# Altium PCB RTU_LMG_PCB.PcbDoc (part 3 of 3)
Units mm, origin at the board's own origin, x right, y up, seen from the top; angles counter-clockwise.
Board outline 89.95 x 89.96 mm, 2 copper layers (Top Layer, Bottom Layer), stack 1.57 mm thick; 142 components, 84 nets, 563 pads, 727 vias.
Unrouted connection lines stored in the file: 18.
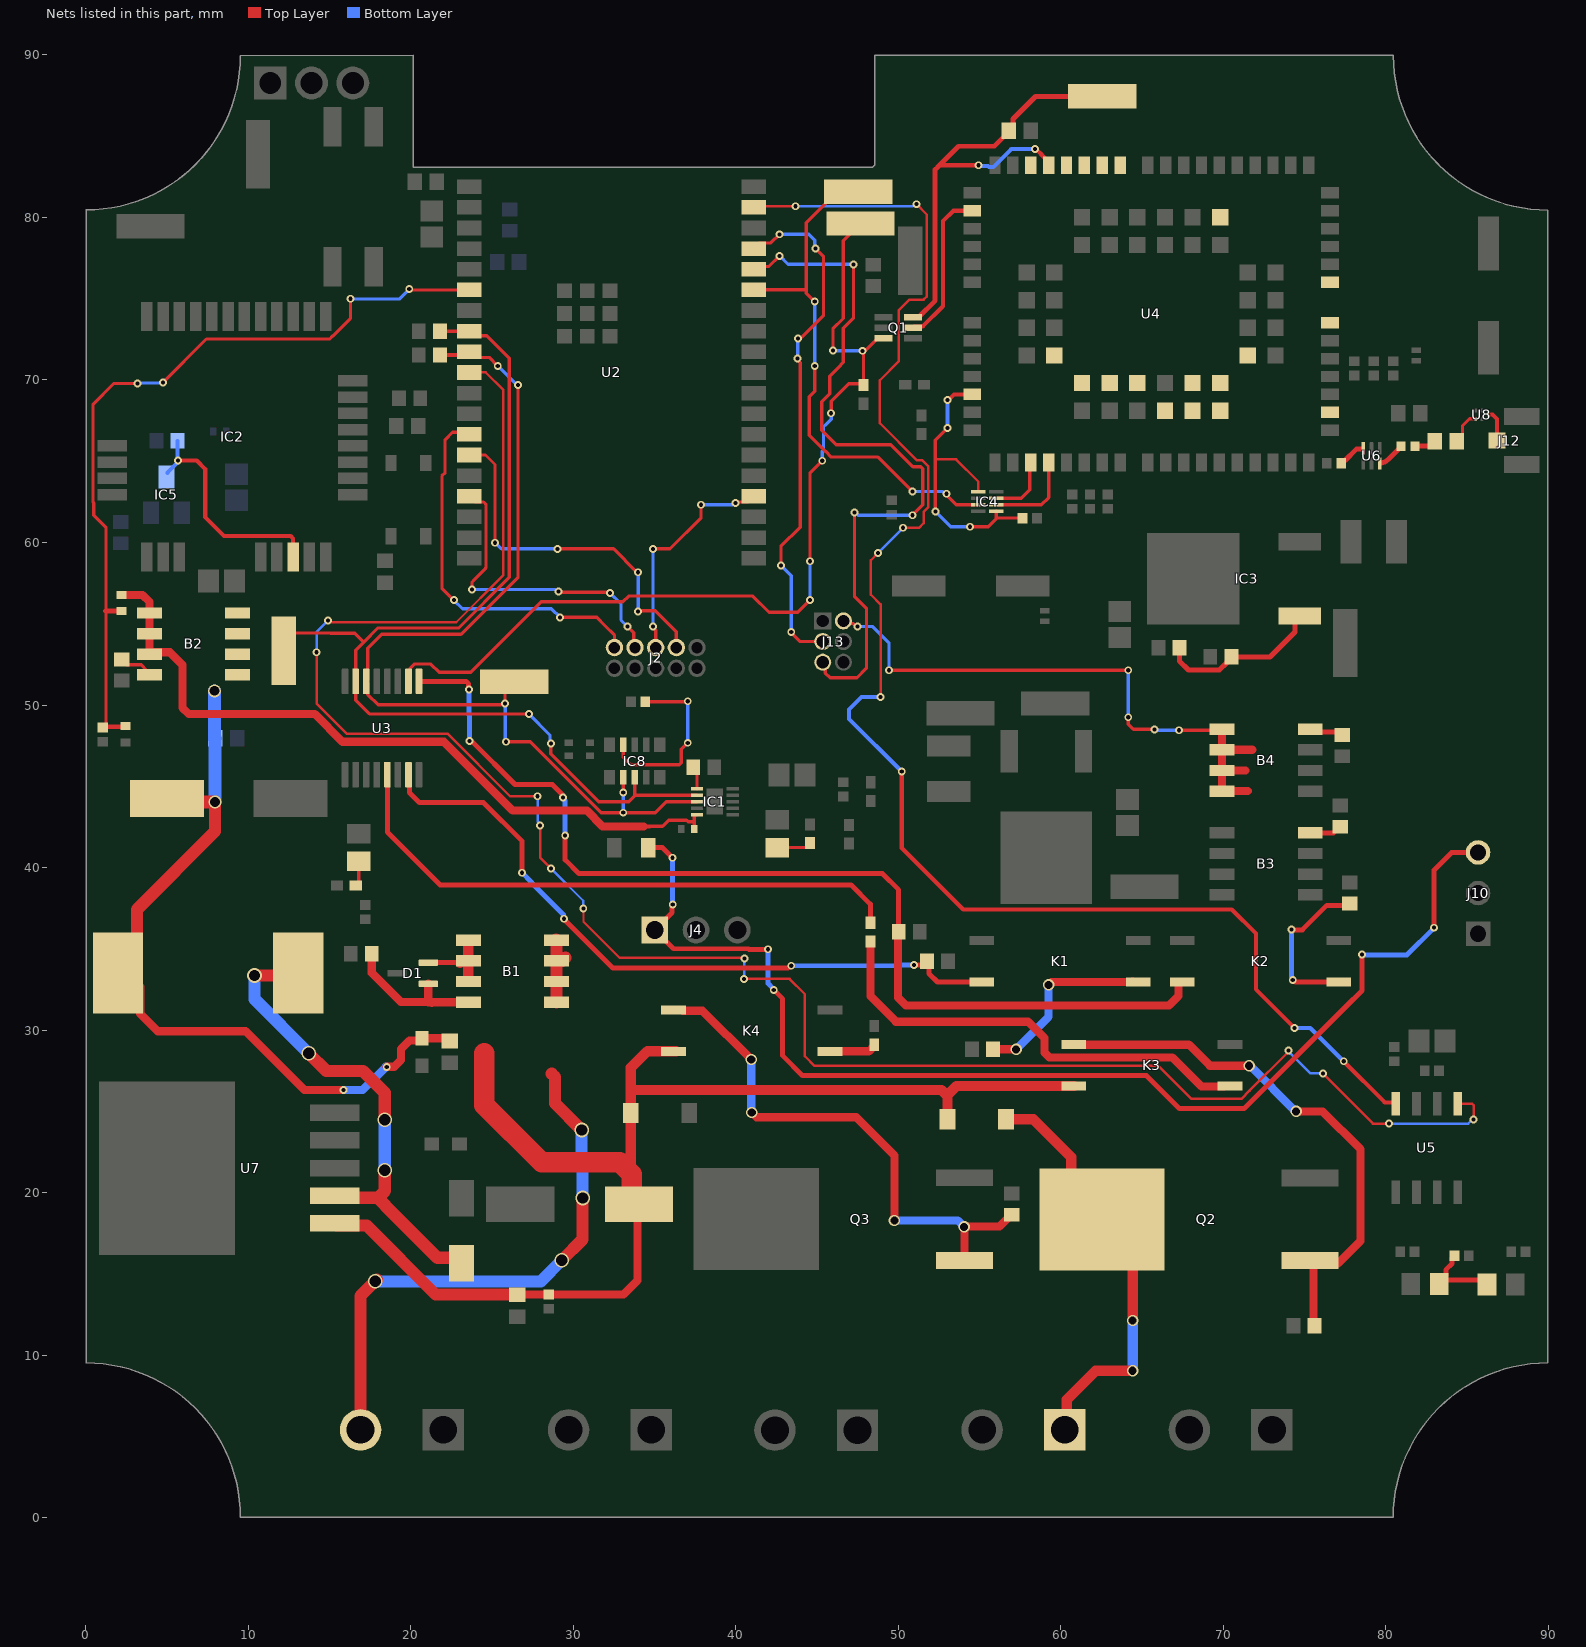
[diagram p3: the nets of this part, all layers, seen from the top]

## Via types
v1: diameter 0.483, hole 0.254, Top Layer to Bottom Layer, 295 vias
v2: diameter 0.4, hole 0.2, Top Layer to Bottom Layer, 125 vias
v3: diameter 0.6, hole 0.4, Top Layer to Bottom Layer, 106 vias
v4: diameter 0.5, hole 0.3, Top Layer to Bottom Layer, 100 vias
v5: diameter 1.27, hole 0.711, Top Layer to Bottom Layer, 46 vias
v6: diameter 0.7, hole 0.5, Top Layer to Bottom Layer, 35 vias
v7: diameter 0.9, hole 0.7, Top Layer to Bottom Layer, 8 vias
v8: diameter 0.381, hole 0.254, Top Layer to Bottom Layer, 6 vias
v9: diameter 0.4, hole 0.3, Top Layer to Bottom Layer, 4 vias
v10: diameter 0.8, hole 0.6, Top Layer to Bottom Layer, 2 vias

## Nets (pads, with @x,y where several pads share a name; then routed paths per layer and width w, separated by ;. In a path a pad name is that pad's centre, name@x,y a point inside that pad or via, vN(x,y) a via of type N, cw(c..) or ccw(c..) an arc to the next point about the centre after c; other vN are vias at no path point) (continued)
MODEM_STATUS: Q1.3 R13.1 TP_STATUS.1 U3.10 | length 57
  Top Layer w0.203: U3.10@19.868,51.454 U3.10@19.972,51.558 ; U3.10@19.956,52.122 19.972,52.138 19.972,52.263 20.227,52.519 21.254,52.519 21.763,52.01 23.703,52.01 28.046,56.354 33.062,56.354 33.412,56.703 41.063,56.703 42.054,55.713 43.828,55.713 v1(44.571,56.456) ; v1(44.571,58.849) 44.571,64.271 v1(45.332,65.031) ; v1(45.876,67.955) 45.876,68.696 46.953,69.773 47.786,69.773 R13.1@47.872,69.687 47.872,71.677 v1@48.042,71.848 ; v1(45.989,71.813) 45.989,73.144 46.629,73.783 46.629,78.572 47.277,79.22 TP_STATUS.1@47.538,79.22 ; v1(47.812,71.794) 47.865,71.848 v1@48.042,71.848 ; Q1.3@49.107,72.562 48.757,72.562 v1@48.042,71.848
  Bottom Layer w0.203: v1(44.571,56.456) v1(44.571,58.849) ; v1(45.332,65.031) 45.332,65.609 45.402,65.679 45.402,67.112 45.545,67.256 45.876,67.586 v1(45.876,67.955) ; v1(45.989,71.813) 46.008,71.794 v1(47.812,71.794)
MODEM_TX: IC4.7 TP_MTX.1 U2.33 | length 32.9
  Top Layer w0.203: U2.33@41.117,75.543 44.23,75.543 44.272,75.585 44.334,75.647 ; v1(44.865,70.859) 44.865,69.301 44.538,68.975 44.538,66.589 45.523,65.604 45.531,65.604 45.876,65.259 48.765,65.259 v1(50.887,63.136) ; v1(44.865,74.819) 44.339,75.345 44.339,79.677 45.54,80.878 45.54,80.93 46.188,81.578 TP_MTX.1@47.538,81.578 ; v1(52.97,63) 52.97,62.925 53.574,62.32 IC4.7@54.936,62.32
  Bottom Layer w0.203: v1(44.865,70.859) v1(44.865,74.819) ; v1(50.887,63.136) 52.758,63.136 52.894,63 v1(52.97,63)
NetB1_4: B1.4 D1.1 R1.2 | length 9.2
  Top Layer w0.508: R1.2@17.612,34.705 17.612,33.515 19.402,31.726 21.088,31.726 ; D1.1@21.088,32.846 21.088,31.726 ; 21.3,31.673 21.258,31.716 ; B1.4@23.557,31.716 21.258,31.716 ; 21.088,31.726 21.248,31.726 21.258,31.716 ; 21.088,31.726 21.088,31.716 21.258,31.716
NetB1_5: B1.5 B1.6 B1.7 B1.8 J1.2 | length 39
  Top Layer w0.75: J1.2@16.92,5.4 16.92,13.644 v7@17.922,14.646 ; v7@17.908,14.6 v7@17.92,14.588 ; 28.69,27.314 28.884,27.121 28.884,25.491 v7(30.524,23.85) ; v7(29.306,15.829) 30.583,17.107 v7(30.583,19.665)
  Top Layer w0.762: B1.8@28.95,35.557 B1.8@28.981,35.526 B1.7@28.981,34.256 ; B1.5@28.981,31.716 B1.6@28.981,32.986 B1.7@28.981,34.256 ; B1.7@29.528,34.452 29.331,34.256 B1.7@28.981,34.256
  Bottom Layer w0.75: v7(17.831,14.532) 28.008,14.532 v7(29.306,15.829) ; v7(30.524,23.85) 30.524,21.615 30.583,21.555 v7(30.583,19.665)
NetB2_4: B2.4 R35.1 | length 1.8
  Top Layer w0.2: R35.1@2.216,52.802 2.541,52.477 3.421,52.477 B2.4@3.775,52.122
NetB2_5: B2.5 B2.6 B2.7 B2.8 C58.1 C59.2 C60.2 L2.2 R22.2 | length 48.5
  Top Layer w0.508: L2.2@2.129,33.889 3.36,32.658 3.36,31.009 4.14,30.229 4.438,29.931 9.837,29.931 13.461,26.308 v1(15.865,26.308) ; v1(18.535,27.736) 18.987,27.736 19.404,28.153 19.404,28.837 19.931,29.363 20.557,29.363 20.557,29.449 R22.2@20.656,29.548 ; R22.2@20.703,29.502 22.157,29.502 22.241,29.418 C60.2@22.241,29.374
  Top Layer w0.75: L2.2@2.129,33.889 3.168,34.928 3.168,37.425 7.972,42.23 v10(7.972,44.037)
  Top Layer w0.8: C58.1@5.023,44.25 5.236,44.037 v10(7.972,44.037)
  Bottom Layer w0.508: v1(15.865,26.308) 17.05,26.308 18.478,27.736 v1(18.535,27.736)
  Bottom Layer w0.8: C59.2@7.931,47.889 7.972,47.848 v10(7.972,44.037) ; v10(7.938,50.874) 7.938,47.99 C59.2@7.98,47.948
NetB3_4: B3.4 R12.2 | length 2.3
  Top Layer w0.305: B3.4@75.365,42.123 B3.4@75.357,42.13 76.789,42.13 77.298,42.64 R12.2@77.389,42.64
NetB4_4: B4.4 R6.2 | length 2.2
  Top Layer w0.305: B4.4@75.357,48.512 75.538,48.331 77.191,48.331 R6.2@77.293,48.23
  Top Layer w0.508: B4.4@75.279,48.434 B4.4@75.357,48.512
NetC30_1: C30.1 R16.1 R17.2 | length 5.1
  Top Layer w0.305: R17.2@83.293,14.374 83.43,14.51 83.54,14.62 R16.1@86.267,14.62 ; R17.2@83.293,14.51 83.319,14.51 83.705,14.896 83.705,15.249 84.088,15.632 84.088,15.953 C30.1@84.235,16.101
NetC46_1: C46.1 U8.4 | length 1.7
  Top Layer w0.2: C46.1@84.567,66.55 84.651,66.55 84.724,66.623 84.724,67.177 85.157,67.61 U8.4@85.54,67.61
NetC46_2: C46.2 L1.1 | length 1.4
  Top Layer w0.305: L1.1@81.808,65.926 82.772,65.926 ccw(c82.772,66.449) C46.2@83.142,66.079
NetD4_1: D4.1 L2.1 U7.2 | length 30.2
  Top Layer w0.762: v7(10.397,33.357) 11.684,33.357 12.179,33.852 L2.1@12.179,33.981 ; v7(13.724,28.574) 14.815,27.483 17.072,27.483 18.418,26.138 v7(18.418,24.474) ; U7.2@15.322,19.801 15.449,19.674 17.986,19.674 ; v7(18.418,21.385) 18.418,20.106 17.986,19.674 ; D4.1@23.13,15.659 22.81,15.979 21.654,15.979 18.433,19.201 18.433,19.228 17.986,19.674
  Bottom Layer w0.762: v7(10.397,33.357) 10.397,31.901 v7(13.724,28.574) ; v7(18.418,21.385) v7(18.418,24.474)
NetIC3_1: IC3.1 R3.1 R4.2 | length 10.3
  Top Layer w0.305: R4.2@67.314,53.523 67.314,52.701 67.863,52.151 69.766,52.151 70.231,52.617 70.231,52.684 R3.1@70.504,52.956 72.881,52.956 74.418,54.494 74.418,55.176 IC3.1@74.713,55.47
NetK1_1: K1.1 R24.2 | length 11.5
  Top Layer w0.508: R24.2@55.841,28.814 v6(57.256,28.814) ; v6(59.257,32.782) 59.433,32.959 64.402,32.959 K1.1@64.419,32.976
  Bottom Layer w0.508: v6(57.256,28.814) 59.257,30.814 v6(59.257,32.782)
NetK2_1: K2.1 R25.2 | length 10.1
  Top Layer w0.305: v1(74.201,36.197) 74.235,36.163 74.874,36.163 76.382,37.67 77.56,37.67 R25.2@77.605,37.715 ; v1(74.282,33.086) 74.33,33.086 74.457,32.959 K2.1@77.104,32.959
  Bottom Layer w0.305: v1(74.201,36.197) 74.201,33.293 74.248,33.245 74.248,33.12 v1(74.282,33.086)
NetK3_1: K3.1 R26.2 | length 27.9
  Top Layer w0.508: R26.2@48.291,35.45 48.291,32.082 49.856,30.518 57.987,30.518 59.001,29.504 59.001,28.611 59.299,28.313 66.871,28.313 68.662,26.523 K3.1@70.018,26.523
NetK3_3: K3.3 Q2.1 R27.2 | length 31.9
  Top Layer w0.508: K3.3@60.8,29.099 67.885,29.099 69.179,27.805 v6(71.599,27.805) ; v6(74.49,24.993) 76.121,24.993 78.447,22.667 78.447,17.02 Q2.1@77.06,15.633 ; Q2.1@75.354,15.811 75.551,15.614 R27.2@75.551,11.928
  Bottom Layer w0.508: v6(71.599,27.805) 71.638,27.805 74.451,24.993 v6(74.49,24.993)
NetK4_1: K4.1 R28.2 | length 3.4
  Top Layer w0.508: K4.1@46.315,28.663 45.833,28.663 K4.1@45.807,28.689 48.193,28.689 48.518,29.014 R28.2@48.541,29.014
NetK4_3: K4.3 Q3.1 R29.2 | length 32.1
  Top Layer w0.508: K4.3@36.767,31.185 37.961,31.185 v6(40.962,28.184) ; v6(40.994,24.925) 41.284,24.635 47.415,24.635 49.771,22.28 v6(49.771,18.279) ; v6(54.062,17.891) 54.084,17.869 Q3.1@54.084,15.83 ; v6@54.1,17.906 56.237,17.906 56.763,18.431 56.763,18.463 56.809,18.509 R29.2@56.84,18.509
  Bottom Layer w0.508: v6(40.962,28.184) 40.962,24.958 v6(40.994,24.925) ; v6(49.771,18.279) 53.675,18.279 v6(54.062,17.891)
NetL1_2: L1.2 U6.3 | length 1.5
  Top Layer w0.305: U6.3@79.732,64.896 ccw(c79.639,65.595) 80.138,65.098 L1.2@80.846,65.805
NetLED1_K: LED1.K R32.2 | length 2.2
  Top Layer w0.203: LED1.K@42.561,41.23 44.371,41.23 44.571,41.43 R32.2@44.571,41.505
NetLED2_A: LED2.A R9.2 | length 1.7
  Top Layer w0.203: R9.2@16.684,38.746 16.808,38.871 LED2.A@16.808,40.388
NetU4_11: U4.11 U4.12 U4.13 U4.14 U4.16 U4.51 U4.56 U4.57 U4.63 U4.76 U4.77 U4.78 U4.92 U4.93 U4.94 U4.95 U4.97 U4.98 U4.99
PUERTA_ABIERTA: K1.4 R15.1 U3.7 | length 43.2
  Top Layer w0.305: U3.7@19.868,45.714 19.921,45.662 19.921,44.615 20.532,44.004 24.481,44.004 26.861,41.623 v1(26.861,39.675) ; v1@29.406,36.855 32.452,33.809 43.225,33.809 43.372,33.956 v1(43.421,33.956) ; v1(50.972,34.009) 51.549,34.009 R15.1@51.769,34.229 51.903,34.095 51.903,33.475 52.419,32.959 K1.4@55.15,32.959
  Bottom Layer w0.305: v1(26.861,39.675) 27.438,39.098 27.438,39.073 29.4,37.111 29.4,36.879 v1(29.434,36.845) ; v1(43.421,33.956) 50.121,33.956 50.174,34.009 v1(50.972,34.009)
PWRKEY: C16.2 Q1.6 TP_PWRKEY.1 U4.15 | length 30.1
  Top Layer w0.254: 52.546,83.212 v1(54.936,83.212) ; v1(58.419,84.207) 58.481,84.207 58.621,84.067 58.639,84.067 58.805,83.901 58.805,83.87 59.263,83.412 U4.15@59.263,83.212
  Top Layer w0.305: Q1.6@50.907,73.862 51.257,73.862 52.277,74.883 52.277,82.944 52.546,83.212 53.715,84.381 55.916,84.381 56.814,85.279 C16.2@56.814,85.329 57.063,85.578 57.063,86.057 58.453,87.447 TP_PWRKEY.1@62.563,87.447
  Bottom Layer w0.254: v1(54.936,83.212) 54.98,83.169 55.531,83.169 55.601,83.099 55.855,83.099 56.962,84.207 v1(58.419,84.207)
RFIN: J12.1 U8.1 | length 2
  Top Layer w0.254: U8.1@86.337,67.868 86.567,67.868 86.846,67.589 J12.1@86.846,66.27 ; J12.1@87.058,66.232 cw(c87.058,66.171) J12.1@87.101,66.214
RFOUT: C18.2 U6.6 | length 1.7
  Top Layer w0.305: C18.2@77.259,64.876 77.259,64.896 77.406,65.043 77.491,65.043 78.196,65.748 U6.6@78.584,65.748
RST: IC2.22 IC5.3 R18.2 | length 14.2
  Top Layer w0.254: v1(5.693,65.042) 6.842,65.042 7.361,64.523 7.361,61.558 8.517,60.402 12.627,60.402 12.775,60.253 IC2.22@12.775,59.103
  Bottom Layer w0.254: IC5.3@5.049,64.281 5.049,64.3 5.658,64.909 R18.2@5.658,66.255
RTC_VO: C3.1 IC8.9 | length 11.2
  Top Layer w0.203: IC8.9@33.085,47.546 33.085,46.771 33.536,46.32 36.544,46.32 36.663,46.439 36.663,47.28 v1(37.057,47.674) ; C3.1@34.442,50.21 37.038,50.21 v1(37.057,50.229)
  Bottom Layer w0.203: v1(37.057,47.674) v1(37.057,50.229)
Rx: IC4.3 U4.34 | length 4
  Top Layer w0.203: IC4.3@56.036,62.72 57.57,62.72 58.096,63.246 58.096,64.846 U4.34@58.163,64.912
SCL: IC1.8 IC8.2 R8.1 TP_SCL.1 U2.9 U3.14 | length 61
  Top Layer w0.203: U3.14@17.268,51.454 17.372,51.351 17.372,50.646 17.996,50.022 25.548,50.022 25.562,50.036 25.754,50.036 v1(25.807,50.089) v1@25.807,50.21 ; U3.14@17.372,51.558 17.372,53.493 18.231,54.353 23.107,54.353 26.614,57.86 v1(26.614,69.687) ; U2.9@23.617,71.733 23.966,71.385 24.835,71.385 v1(25.36,70.859) ; v1@25.851,50.171 25.807,50.215 25.807,50.869 TP_SCL.1@26.372,51.434 ; v1(25.876,47.736) 27.357,47.736 31.718,43.375 35.051,43.375 35.726,44.05 IC1.8@37.62,44.05 ; TP_SCL.1@25.9,50.999 TP_SCL.1@26.428,51.527 ; v1(33.085,44.615) IC8.2@33.085,45.545
  Top Layer w0.254: R8.1@21.805,71.535 23.42,71.535 U2.9@23.617,71.733
  Bottom Layer w0.203: v1(25.36,70.859) 25.401,70.859 26.573,69.687 v1(26.614,69.687) ; v1@25.785,50.21 25.83,50.165 25.83,47.781 v1(25.876,47.736) ; v1(33.085,43.375) v1(33.085,44.615)
SDA: IC1.7 IC8.3 R7.1 TP_SDA.1 U2.8 U3.15 | length 64.1
  Top Layer w0.2: U3.15@16.618,51.454 16.618,53.373 17.115,53.87 17.983,54.738 22.955,54.738 26.068,57.85 26.068,71.35 24.698,72.72 23.9,72.72 U2.8@23.617,73.003 R7.1@21.805,73.003
  Top Layer w0.203: TP_SDA.1@11.581,54.29 TP_SDA.1@12.282,54.29 ; TP_SDA.1@12.291,54.427 15.062,54.427 15.074,54.415 16.569,54.415 17.115,53.87 ; U3.15@16.618,51.454 16.618,50.3 17.47,49.448 v1(27.28,49.448) ; v1(28.631,47.624) 28.631,47 31.582,44.05 33.425,44.05 33.785,44.41 33.785,44.45 ; IC8.3@33.785,45.545 33.785,44.45 ; IC1.7@37.62,44.45 33.785,44.45
  Bottom Layer w0.203: v1(27.28,49.448) 28.578,48.15 28.578,47.677 v1(28.631,47.624)
SIR_A2: CR1.2 J8.1 Q2.3 | length 21.3
  Top Layer w0.635: CR1.2@56.64,24.506 58.321,24.506 60.644,22.183 60.644,20.537 Q2.3@60.709,20.472 ; J8.1@60.137,5.513 J8.1@60.25,5.4 60.381,5.531 60.381,7.256 62.16,9.034 v6(64.428,9.034) ; v6(64.427,12.132) 64.427,16.294 Q2.3@64.783,16.649
  Bottom Layer w0.635: v6(64.428,9.034) v6(64.427,12.132)
SIRENA: R26.1 U3.5 | length 36.2
  Top Layer w0.305: U3.5@18.568,45.714 18.568,42.182 21.811,38.939 47.095,38.939 48.291,37.742 R26.1@48.291,36.6
STATUS: Q1.5 U4.20 | length 9.7
  Top Layer w0.254: Q1.5@50.907,73.212 50.98,73.285 51.511,73.285 52.763,74.538 52.763,79.774 53.401,80.412 U4.20@54.563,80.412
TCK: J2.4 U2.16 | length 19.4
  Top Layer w0.2: U2.16@23.617,62.843 23.967,62.493 24.488,62.493 24.645,62.336 24.645,58.468 24.606,58.429 24.606,58.376 23.9,57.67 23.895,57.67 23.777,57.553 v1(23.777,57.107) ; v1(29.095,56.979) 29.135,56.939 32.227,56.939 v1(32.267,56.9) ; v1(33.341,54.835) 33.732,54.444 33.732,53.612 J2.4@33.81,53.533
  Bottom Layer w0.2: v1(23.777,57.107) 28.891,57.107 29.019,56.979 v1(29.095,56.979) ; v1(32.267,56.9) 32.948,56.219 32.948,55.228 v1(33.341,54.835)
TDI: J2.8 U2.14 | length 22.5
  Top Layer w0.2: U2.14@23.617,65.383 24.61,65.383 25.193,64.8 v1(25.193,59.987) ; v1(29.03,59.609) 32.487,59.609 33.925,58.171 v1(34.002,58.171) ; v1(34.002,55.754) 34.043,55.795 35.058,55.795 36.35,54.503 J2.8@36.35,53.533
  Bottom Layer w0.2: v1(25.193,59.987) 25.218,59.987 25.588,59.617 25.73,59.617 25.737,59.609 v1(29.03,59.609) ; v1(34.002,55.754) v1(34.002,58.171)
TDO: J2.6 U2.23 | length 14.1
  Top Layer w0.2: v1(34.923,54.835) 34.923,54.758 35.08,54.601 J2.6@35.08,53.533 ; v1(34.923,59.609) 35.962,59.609 37.875,61.522 v1(37.875,62.322) ; v1(39.992,62.43) 40.069,62.43 40.131,62.493 40.767,62.493 U2.23@41.117,62.843
  Bottom Layer w0.2: v1(34.923,54.835) v1(34.923,59.609) ; v1(37.875,62.322) 39.807,62.322 39.916,62.43 v1(39.992,62.43)
TMS: J2.2 U2.13 | length 23.6
  Top Layer w0.2: v1(22.662,56.456) 21.929,57.189 21.929,64.094 22.121,64.287 22.121,66.333 22.579,66.791 23.479,66.791 U2.13@23.617,66.653 ; v1(29.198,55.394) 29.205,55.401 31.452,55.401 31.989,54.864 32.54,54.313 J2.2@32.54,53.533
  Bottom Layer w0.2: v1(22.662,56.456) 23.194,55.925 28.666,55.925 v1(29.198,55.394)
TRACTOR_ON: K2.4 R23.1 U3.9 | length 64.5
  Top Layer w0.305: U3.9@20.518,51.454 23.42,51.454 23.569,51.305 23.569,50.993 v1(23.603,50.959) ; v1(23.617,47.78) 23.651,47.746 23.786,47.746 26.42,45.113 28.719,45.113 29.349,44.482 29.349,44.343 v1(29.383,44.309) ; v1(29.511,41.966) 29.511,40.473 30.359,39.625 49.039,39.625 50.032,38.632 R23.1@50.032,36.045
  Top Layer w0.508: R23.1@49.988,35.944 49.988,31.991 50.475,31.505 66.664,31.505 67.248,32.089 67.248,32.933 67.273,32.959 K2.4@67.477,32.959
  Bottom Layer w0.305: v1(23.603,50.959) 23.593,50.949 23.593,49.398 23.617,49.374 v1(23.617,47.78) ; v1(29.383,44.309) 29.383,44.261 29.511,44.133 v1(29.511,41.966)
TS: IC1.6 R31.2 | length 1.4
  Top Layer w0.203: R31.2@37.387,46.174 37.62,45.941 IC1.6@37.62,44.85
TWAI_RD: U2.37 U5.4 | length 97.2
  Top Layer w0.152: U2.37@41.117,80.623 41.185,80.69 v1(43.68,80.69) ; v1(48.765,59.351) 48.317,58.904 48.317,56.791 48.919,56.189 v1(48.919,50.497) ; v1(50.295,60.904) 51.287,60.904 51.57,61.187 51.57,61.884 51.866,62.181 51.866,64.688 51.479,65.074 51.138,65.074 48.87,67.342 48.87,69.976 50.032,71.138 50.032,74.273 50.701,74.943 51.57,74.943 51.758,75.131 51.758,80.183 v1(51.124,80.817)
  Top Layer w0.254: 50.22,42.864 v1(50.22,45.915) ; 50.222,42.954 50.222,41.204 54.005,37.421 70.526,37.421 72.01,35.936 72.01,32.508 v1(74.381,30.136) ; v1(77.417,28.077) 79.944,25.55 U5.4@80.605,25.55
  Bottom Layer w0.152: v1(43.68,80.69) 50.908,80.69 51.035,80.817 v1(51.124,80.817) ; v1(48.765,59.351) 48.765,59.362 50.295,60.892 v1(50.295,60.904)
  Bottom Layer w0.254: v1(48.919,50.497) 47.756,50.497 46.987,49.728 46.987,49.148 v1(50.22,45.915) ; v1(74.381,30.136) 75.358,30.136 v1(77.417,28.077)
TWAI_TD: U2.10 U5.1 | length 124.4
  Top Layer w0.152: v1(14.214,53.25) 14.214,50.083 16.055,48.242 22.266,48.242 26.124,44.384 v1(27.814,44.384) ; v1(14.914,55.204) 15.004,55.204 15.11,55.098 15.492,55.098 15.498,55.092 22.809,55.092 25.714,57.997 25.714,69.374 24.624,70.463 U2.10@23.617,70.463 ; v1(27.97,42.577) 27.97,40.61 v1(28.631,39.949) ; v1(30.628,37.48) 30.639,37.468 30.639,36.662 32.854,34.447 40.493,34.447 v1(40.536,34.405) ; v1(40.521,33.146) 41.023,33.146 43.319,33.146 44.26,32.204 44.26,31.241 44.253,31.234 44.253,31.151 44.253,28.396 44.854,27.794 66.019,27.794 68.049,25.764 71.115,25.764 71.62,26.27 74.013,28.662 v1(74.013,28.741) ; v1(76.132,27.329) 79.213,24.248 v1(80.197,24.248) ; U5.1@84.36,25.7 U5.1@84.434,25.625 ; U5.1@84.434,25.471 U5.1@84.434,25.625 ; U5.1@84.434,25.932 U5.1@84.434,25.625 ; v1(85.408,24.49) 85.408,25.377 85.319,25.466 84.593,25.466 U5.1@84.434,25.625
  Bottom Layer w0.152: v1(14.214,53.25) 14.214,54.503 v1(14.914,55.204) ; v1(27.814,44.384) 27.814,42.823 27.97,42.667 v1(27.97,42.577) ; v1(28.631,39.949) 30.622,37.959 v1@30.622,37.409 ; v1(40.521,33.146) 40.528,33.153 40.528,34.398 v1(40.536,34.405) ; v1(74.013,28.741) 74.013,28.691 75.374,27.329 v1(76.132,27.329) ; v1(80.197,24.248) 85.077,24.248 85.319,24.49 v1(85.408,24.49)
Tx: IC4.2 U4.35 | length 5.6
  Top Layer w0.203: IC4.2@56.036,62.32 58.817,62.32 59.263,62.765 U4.35@59.263,64.912
UART0_RX: J13.5 U2.34 | length 45.2
  Top Layer w0.203: U2.34@41.117,76.813 41.292,76.987 42.053,76.987 v1(42.7,77.635) ; J13.5@45.359,52.636 45.521,52.474 45.521,51.968 45.814,51.674 47.468,51.674 48.049,52.255 48.049,55.945 47.312,56.682 v1(47.312,61.836) ; v1(47.248,77.112) 47.248,73.801 46.629,73.182 46.629,71.08 46.311,70.762 45.792,70.243 45.792,69.151 45.3,68.659 45.3,66.912 46.192,66.021 49.548,66.021 50.909,64.659 51.391,64.659 51.51,64.54 51.51,62.328 50.887,61.705 v1(50.887,61.678)
  Bottom Layer w0.203: v1(42.7,77.635) 43.222,77.112 v1(47.248,77.112) ; v1(47.312,61.836) 47.388,61.836 47.546,61.678 v1(50.887,61.678)
UART0_TX: J13.3 U2.35 | length 32.4
  Top Layer w0.203: U2.35@41.117,78.083 41.466,78.431 42.169,78.431 v1(42.7,78.963) ; v1(42.786,58.586) 42.786,59.763 43.969,60.946 43.969,71.067 43.799,71.237 v1(43.799,71.312) ; v1(43.421,54.503) 43.421,54.454 43.969,53.906 J13.3@45.359,53.906 ; v1(43.84,72.562) 43.893,72.616 44.057,72.616 44.471,73.03 45.411,73.969 45.411,77.592 v1(44.919,78.083)
  Bottom Layer w0.203: v1(42.7,78.963) 44.508,78.963 44.866,78.605 44.866,78.136 v1(44.919,78.083) ; v1(42.786,58.586) 43.421,57.951 v1(43.421,54.503) ; v1(43.799,71.312) 43.819,71.333 43.819,72.542 v1(43.84,72.562)
VBat: C43.2 J4.01 J10.3 | length 75.1
  Top Layer w0.305: C43.2@34.627,41.23 35.492,41.23 v1(36.117,40.606) ; v1(36.13,37.729) 36.096,37.695 36.096,37.231 35.024,36.159 36.18,35.002 40.783,35.002 40.817,34.968 v1(41.999,34.968) ; v1(42.343,32.471) 42.89,31.925 42.89,28.424 44.106,27.207 65.276,27.207 67.315,25.168 71.283,25.168 77.56,31.445 78.544,32.429 v1(78.544,34.654) ; v1(82.981,36.299) 82.981,39.849 84.061,40.929 J10.3@85.682,40.929
  Bottom Layer w0.305: v1(36.117,40.606) 36.123,40.6 36.123,37.736 v1(36.13,37.729) ; v1(41.999,34.968) 41.999,32.864 42.343,32.519 v1(42.343,32.471) ; v1(78.544,34.654) 78.576,34.621 81.303,34.621 v1(82.981,36.299)
VCCPROG: B4.5 B4.6 B4.7 B4.8 J13.2 | length 37.7
  Top Layer w0.2: J13.2@46.629,55.176 46.792,55.013 47.248,55.013 47.426,54.835 v1(47.503,54.835) ; v1(49.439,52.138) v1(64.155,52.138)
  Top Layer w0.203: v1(64.155,49.249) 64.155,48.823 64.476,48.501 v1(65.772,48.501) ; v1(67.278,48.448) 69.868,48.448 B4.5@69.933,48.512
  Top Layer w0.508: B4.5@69.933,48.512 B4.6@69.933,47.242 ; 71.369,45.976 71.365,45.972 B4.7@69.933,45.972 ; 71.51,44.702 B4.8@69.933,44.702 B4.7@69.933,45.972 ; 71.781,47.242 B4.6@69.933,47.242 ; B4.7@69.933,45.972 B4.6@69.933,47.242
  Bottom Layer w0.2: v1(47.503,54.835) 48.412,54.835 49.439,53.807 v1(49.439,52.138)
  Bottom Layer w0.203: v1(64.155,49.249) v1(64.155,52.138) ; v1(65.772,48.501) 65.826,48.448 v1(67.278,48.448)
VDD_EXT: C27.2 IC4.1 IC4.5 U4.29 | length 19.1
  Top Layer w0.152: 52.277,65.11 53.565,65.11 54.936,63.739 IC4.5@54.936,63.12
  Top Layer w0.203: v1(52.306,61.902) 52.277,61.93 52.277,65.11 52.277,66.285 v1(53.03,67.038) ; v1(54.42,60.966) 55.554,60.966 56.036,61.449 ; IC4.1@56.036,61.92 56.036,61.449 ; C27.2@57.656,61.504 56.091,61.504 56.036,61.449
  Top Layer w0.254: v1(53.03,68.761) 53.092,68.761 53.443,69.112 U4.29@54.563,69.112
  Bottom Layer w0.203: v1(52.306,61.902) 52.306,61.892 53.231,60.966 v1(54.42,60.966)
  Bottom Layer w0.254: v1(53.03,67.038) v1(53.03,68.761)
VIN_BTY_CH: B2.1 B2.2 B2.3 C50.2 IC1.10 R2.2 | length 45.4
  Top Layer w0.203: 34.702,42.535 35.505,42.535 35.878,42.908 36.978,42.908 37.076,42.811 37.463,42.811 ; C50.2@37.463,42.379 37.463,42.811 ; IC1.10@37.62,43.25 37.464,43.25 37.463,43.248 37.463,42.811
  Top Layer w0.254: 34.485,42.535 34.702,42.535
  Top Layer w0.305: 28.631,43.501 28.631,43.504 ; 34.349,42.535 34.485,42.535
  Top Layer w0.5: R2.2@2.218,56.779 3.515,56.779 3.939,56.356 B2.1@3.939,55.806 ; B2.3@3.93,53.243 B2.2@3.93,54.391 B2.1@3.93,55.661 ; 28.631,43.501 30.843,43.501 31.809,42.535 34.349,42.535
  Top Layer w0.508: B2.3@4.18,53.243 5.19,53.243 5.963,52.471 5.963,49.827 6.349,49.441 14.105,49.441 15.812,47.734 22.054,47.734 26.284,43.504 28.631,43.504
VinEXT: B1.1 B1.2 B1.3 C33.2 C37.1 C57.2 CR1.1 CR2.1 D1.2 K3.4 K4.4 U7.1 | length 85.8
  Top Layer w0.305: D1.2@21.088,34.146 B1.2@23.035,34.146
  Top Layer w0.5: C33.2@26.57,13.719 26.572,13.722 C57.2@28.531,13.722 ; C57.2@28.496,13.724 33.098,13.724 33.97,14.596 C37.1@33.97,18.636
  Top Layer w0.508: C37.1@34.053,19.28 C37.1@34.427,18.906
  Top Layer w0.635: B1.2@23.035,34.146 23.144,34.256 B1.2@23.557,34.256 ; B1.3@23.557,32.986 B1.2@23.557,34.256 ; B1.1@23.557,35.526 B1.2@23.557,34.256 ; 33.607,21.119 33.544,21.182 CR2.1@33.544,24.893 33.544,26.29 ; K4.4@36.315,28.701 34.573,28.701 33.544,27.671 33.544,26.29 ; CR1.1@53.033,24.506 53.033,25.943 52.661,26.315 33.569,26.315 33.544,26.29 ; 53.147,26.101 53.606,26.559 K3.4@60.8,26.559
  Top Layer w0.75: U7.1@15.322,18.099 15.455,17.966 17.305,17.966 21.552,13.719 C33.2@26.57,13.719
  Top Layer w1: C37.1@32.453,18.68 32.679,18.906 C37.1@32.679,19.235
  Top Layer w1.27: 24.538,28.574 24.538,25.388 28.063,21.862 32.863,21.862 33.544,21.182 ; 33.607,21.119 33.607,19.726 C37.1@34.053,19.28
VOUT_OK: C34.2 R2.1 R11.2 U2.6 | length 49.2
  Top Layer w0.2: C34.2@1.25,48.823 1.25,55.779 1.25,57.163 1.25,60.936 0.511,61.675 0.511,62.434 0.463,62.483 0.463,68.506 1.741,69.784 v1(3.19,69.784) ; v1(4.756,69.843) 7.435,72.521 15.019,72.521 15.223,72.725 15.24,72.725 16.294,73.779 v1(16.294,75.001) ; v1(19.918,75.595) 19.97,75.543 U2.6@23.617,75.543
  Top Layer w0.305: C34.2@1.066,48.623 1.086,48.623 C34.2@1.125,48.662 ; C34.2@1.234,48.662 2.418,48.662 R11.2@2.457,48.701 ; 1.234,55.779 1.25,55.779 R2.1@2.218,55.779
  Bottom Layer w0.2: v1(3.19,69.784) 3.219,69.814 4.727,69.814 v1(4.756,69.843) ; v1(16.294,75.001) 16.32,74.976 19.298,74.976 v1(19.918,75.595)
pads on no net: D1.3 IC2.3 IC2.4 IC2.5 IC2.6 IC2.7 IC2.8 IC2.9 IC2.10 IC2.12 IC2.13 IC2.14 IC2.15 IC2.16 IC2.19 IC2.20 IC2.21 IC2.25 IC2.26 IC2.27 IC2.29 IC2.30 IC2.31 IC2.32 IC8.4 IC8.5 IC8.6 J2.1 J2.10 J4.03 J10.2 S1.2 S1.3 U2.17 U2.18 U2.19 U2.20 U2.21 U2.22 U3.13 U4.1 U4.2 U4.4 U4.5 U4.6 U4.7 U4.17 U4.18 U4.19 U4.21 U4.22 U4.23 U4.24 U4.25 U4.26 U4.27 U4.28 U4.36 U4.37 U4.38 U4.39 U4.40 U4.41 U4.42 U4.43 U4.44 U4.45 U4.46 U4.47 U4.60 U4.64 U4.65 U4.66 U4.75 U4.83 U4.84 U4.85 U4.86 U4.87 U4.88 U4.96

## Polygon pours and split planes (outlines as drawn)
GND on Top Layer "GND_L01_P238" (solid, remove dead copper, pour order 238): 85.706,73.933 85.624,74.015 85.624,76.338 88.063,76.338 89.778,76.338 89.778,73.931 89.778,58.091 85.386,58.091 85.386,62.204 79.568,62.204 79.512,62.148 79.475,62.185 79.475,63.17 79.531,63.226 79.01,63.747 73.676,63.747 73.62,63.802 73.62,67.371 73.899,67.65 78.88,67.65 78.88,72.315 78.769,72.427 81.111,72.427 81.111,71.405 81.222,71.293 81.315,71.386 82.152,71.386 82.115,71.423 83.025,71.423 83.025,73.914 83.007,73.933
GND on Top Layer "GND_L01_P241" (solid, remove dead copper, pour order 241): 17.155,25.471 17.12,25.437 12.45,25.437 12.45,26.674 12.433,26.702 0.681,26.702 0.043,27.341 0.043,27.282 0.043,-0.08 24.107,-0.08 25.051,0.013 25.051,12.137 19.399,12.186 19.399,6.521 12.52,6.521 12.52,20.746 16.918,20.746 17.066,20.894 17.036,20.924 17.036,22.142 12.58,22.142 12.491,22.231 12.52,22.261 12.52,24.221 17.096,24.221 17.125,24.192 17.155,24.221
GND on Top Layer "GND_L01_P227" (solid, remove dead copper, pour order 227): 10.518,46.806 14.825,46.806 14.825,42.251 14.894,42.182 10.155,42.182 10.155,46.735 10.226,46.806
GND on Top Layer "GND_L01_P233" (solid, remove dead copper, pour order 233): 22.565,23.406 24.57,23.406 24.57,20.439 24.619,20.389 28.995,20.389 28.995,17.614 28.831,17.141 21.82,17.141 21.82,21.093 21.794,21.119 22.538,21.862 22.565,21.862 22.565,23.316
GND on Top Layer "GND_L01_P250" (solid, remove dead copper, pour order 250): 58.72,55.283 58.734,55.269 62.092,55.269 62.092,54.838 62.077,54.824 62.12,54.781 64.631,54.781 64.631,54.236 64.717,54.149 66.582,54.149 66.582,52.959 58.648,52.959 58.648,55.297 58.691,55.34
GND on Top Layer "GND_L01_P249" (solid, remove dead copper, pour order 249): 52.32,21.321 52.378,21.379 52.378,22.942 56.984,22.942 58.031,21.895 58.031,19.341 52.464,19.341 52.364,19.442 52.378,19.456 52.378,21.479
GND on Top Layer "GND_L01_P247" (solid, remove dead copper, pour order 247): 73.468,20.222 73.468,17.239 77.186,17.239 77.257,17.311 77.243,17.325 77.243,22.806 76.21,23.839 73.455,23.839 73.455,20.324
NetB1_5 on Top Layer "NETB1_5_L01_P144" (solid, remove dead copper, pour order 144): 27.972,31.416 29.795,31.416 29.795,36.001 29.782,36.015 26.917,36.015 26.917,35.867 26.917,35.74 26.917,27.185 30.583,27.185 30.583,30.508 27.972,30.508
GND on Top Layer "GND_L01_P172" (solid, remove dead copper, pour order 172): 57.592,86.242 59.246,86.242 59.229,86.225 59.229,84.415 59.229,85.63 60.52,85.639 82.198,85.63 82.198,81.271 77.711,81.271 77.711,72.451 81.23,72.451 81.23,71.312 82.365,71.312 82.365,70.829 82.198,70.829 75.512,70.829 75.659,70.829 75.659,70.613 75.659,67.512 77.33,67.512 77.33,66.058 74.078,67.273 60.278,67.682 55.369,67.682 55.369,75.453 55.369,80.012 55.369,82.446 57.122,82.446 59.229,82.446 59.246,86.324
GND on Top Layer "GND_L01_P246" (solid, remove dead copper, pour order 246): 8.426,63.282 8.5,63.209 13.725,63.209 14.252,62.682 14.149,62.579 14.149,58.188 13.505,58.188 13.315,58.379 13.315,61.291 8.47,61.291 8.382,61.379 8.426,61.423 8.426,63.209
GND on Top Layer "GND_L01_P245" (solid, remove dead copper, pour order 245): 18.511,60.882 18.584,60.955 21.409,60.955 21.409,58.086 17.691,58.086 17.691,60.706 17.925,60.94 18.657,60.94
GND on Top Layer "GND_L01_P244" (solid, remove dead copper, pour order 244): 1.517,60.56 1.532,60.545 7.533,60.545 8.338,59.74 8.338,56.798 4.547,56.798 3.786,57.559 1.605,57.559 1.591,57.544 1.517,57.618 1.517,60.53
GND on Top Layer "GND_L01_P235" (solid, remove dead copper, pour order 235): 85.51,20.65 86.432,20.65 86.432,18.674 84.25,18.674 84.176,18.748 84.17,19.506 84.17,21.855 84.125,21.901 82.928,21.901 82.928,30.181 85.51,30.181 85.51,28.399 83.521,28.399 83.541,28.379 83.541,26.759 83.541,23.954 85.51,23.954
GND on Top Layer "GND_L01_P185" (solid, remove dead copper, pour order 185): 27.977,76.235 27.977,71.227 42.03,71.227 42.03,72.211 41.979,72.263 41.944,72.229 39.699,72.229 39.699,73.679 39.63,73.749 39.647,73.766 42.1,73.766 42.1,74.819 39.613,74.819 39.613,80.899 39.992,81.279 42.937,81.279 42.937,82.371 42.786,82.522 22.877,82.522 21.237,82.522 21.237,81.68 22.662,81.68 22.662,81.233 22.742,81.313 27.977,81.313
VIN_BTY_CH on Top Layer "VIN_BTY_CH_L01_P240" (solid, remove dead copper, pour order 240): 3.734,56.371 3.823,56.459 6.393,56.459 6.393,50.473 6.379,50.458 3.705,50.458 3.705,56.4 3.749,56.444
NetB2_5 on Top Layer "NETB2_5_L01_P239" (solid, remove dead copper, pour order 239): 6.813,56.511 6.813,50.406 9.457,50.406 9.457,50.577 9.472,50.688 9.472,56.511 6.843,56.511 6.813,56.541
GND on Top Layer "GND_L01_P211" (solid, remove dead copper, pour order 211): 25.885,77.416 25.906,77.437 25.906,78.048 24.598,78.048 24.544,77.994 24.544,77.416 22.388,77.416 22.388,78.431 22.388,79.62 22.332,79.676 20.306,79.676 20.306,76.368 20.288,76.349 20.418,76.219 24.6,76.219 24.6,74.843 24.712,74.732 25.92,74.732 25.92,76.198 25.957,76.235 25.92,76.235 25.901,76.275 25.901,77.416
GND on Top Layer "GND_L01_P213" (solid, remove dead copper, pour order 213): 17.423,44.85 17.423,46.713 20.287,46.713 20.287,44.788 21.842,44.788 21.842,47.28 15.703,47.28 15.704,44.85
GND on Top Layer "GND_L01_P232" (solid, remove dead copper, pour order 232): 41.944,69.629 37.057,69.629 37.057,66.666 37.101,66.711 38.397,66.711 39.254,67.432 39.295,67.473 41.944,67.473
3V8 on Top Layer "3V8_L01_P179" (solid, remove dead copper, pour order 179): 58.002,58.065 64.239,58.065 64.443,58.269 64.443,61.192 72.49,61.192 72.717,60.966 72.717,58.84 75.814,58.84 75.814,58.675 75.835,58.598 75.835,56.715 72.865,56.715 72.544,56.394 72.544,53.895 69.856,53.895 69.718,53.757 69.763,53.713 69.763,52.202 68.909,52.202 68.559,52.551 68.559,54.494 64.954,54.494 64.954,55.176 62.563,55.176 62.563,56.715 55.963,56.715 56.089,56.841 56.089,57.979 58.191,57.979
GND on Top Layer "GND_L01_P231" (solid, remove dead copper, pour order 231): 49.324,59.963 49.384,59.903 54.42,59.903 54.42,53.318 54.068,52.966 49.324,52.966 49.324,59.809
GND on Top Layer "GND_L01_P230" (solid, remove dead copper, pour order 230): 59.4,61.192 59.4,60.615 63.217,60.615 63.217,62.32 60.064,62.32 60.064,61.779 58.209,61.779 58.209,61.192
VinEXT on Top Layer "VINEXT_L01_P143" (solid, remove dead copper, pour order 143): 22.835,35.858 22.855,35.877 26.034,35.877 26.034,27.145 23.496,27.145 23.496,30.455 24.647,30.455 24.647,32.377 24.483,32.542 22.678,32.542 22.678,35.936 22.717,35.897 25.17,35.897
GND on Top Layer "GND_L01_P212" (solid, remove dead copper, pour order 212): 65.391,67.531 65.391,66.086 65.363,66.058 77.33,66.058 77.33,67.445 77.244,67.531 65.39,67.531
GND on Top Layer "GND_L01_P188" (solid, remove dead copper, pour order 188): 38.121,41.599 39.313,41.599 39.313,44.628 39.387,44.702 39.4,44.689 40.28,44.689 40.28,45.139 40.268,45.151 38.121,45.151
GND on Top Layer "GND_L01_P189" (solid, remove dead copper, pour order 189): 43.671,46.577 43.688,46.56 48.913,46.56 48.913,44.807 48.87,44.85 43.771,44.85
GND on Top Layer "GND_L01_P191" (solid, remove dead copper, pour order 191): 51.458,45.565 51.458,45.564 60.855,45.564 60.855,48.434 60.787,48.503 62,48.503 62,45.616 62.04,45.656 65.179,45.656 65.179,43.53 65.127,43.583 51.458,43.583
VCCPROG on Top Layer "VCCPROG_L01_P206" (solid, remove dead copper, pour order 206): 74.026,44.256 74.006,44.236 71.003,44.236 71.003,49.46 72.214,49.46 72.214,47.736 72.214,44.216 71.69,44.216
3V3 on Top Layer "3V3_L01_P207" (solid, remove dead copper, pour order 207): 73.984,37.788 73.965,37.768 70.962,37.768 70.962,43.19 72.172,43.19 72.172,41.268 72.172,37.749 71.649,37.749
3V3_ESP32 on Top Layer "3V3_ESP32_L01_P209" (solid, remove dead copper, pour order 209): 74.026,44.256 73.072,44.271 73.072,49.693 74.282,49.693 74.282,47.771 74.282,44.252 73.759,44.252
3V3_ESP32 on Top Layer "3V3_ESP32_L01_P210" (solid, remove dead copper, pour order 210): 74.026,37.711 73.072,37.726 73.072,44.574 74.282,44.574 74.282,41.226 74.282,37.706 73.759,37.706
GND on Top Layer "GND_L01_P180" (solid, remove dead copper, pour order 180): 79.263,61.686 79.357,61.591 79.357,58.269 82.865,58.269 82.865,58.598 82.865,59.54 82.865,61.69 79.263,61.69 79.357,61.595 79.357,58.269
GND on Bottom Layer "GND_L02_P214" (solid, remove dead copper, pour order 214): 19.992,89.661 19.992,82.809 49.063,82.809 49.063,89.661 90.651,89.661 90.651,-0.165 -0.035,-0.165 -0.19,89.661

## Keep-outs
Keep-Out Layer:
  lines w0.05: 0.026,80.465 ccw(c0.026,89.965) 9.526,89.965 ; 0.028,80.463 0.028,9.518 cw(c0.03,0.018) 9.53,0.018 ; 9.522,89.967 20.16,89.967 20.16,84.351 ; 9.531,0.019 80.462,0.019 ; 48.553,89.975 80.475,89.975 ; 48.553,89.977 48.553,83.209 48.441,83.097 20.16,83.097 20.16,84.351 ; 80.464,0.021 cw(c89.964,0.013) 89.964,9.513 ; 80.475,89.956 ccw(c89.975,89.956) 89.975,80.456 ; 89.965,9.519 89.965,80.464 ; 20.16,84.351 20.16,84.351

## Silkscreen, mask and mechanical layers (free items; w line width, h text height)
Top Overlay:
  lines w0.2: 78.967,33.16 79.084,33.277
  lines w0.254: 13.738,9.814 76.223,9.814 ; 25.283,7.587 25.283,12.695 ; 33.835,34.61 41.267,34.61 ; 38.208,7.518 38.208,12.224 ; 50.842,7.455 50.842,12.219 ; 63.547,7.485 63.547,12.65 ; 13.556,7.424 76.317,7.424 76.317,12.816 13.556,12.816 13.556,7.424
  text "LG-TRACKER" at 65.276,87.006 h1.52
  text "JTAG" at 33.837,55.905 h0.8
  text "+" at 87.245,40.394 h1.52
  text "BATTERY STATE" at 32.748,37.811 h0.76
  text "BATTERY IN" at 82.325,33.548 h1 r90
  text "ON  | OFF" at 34.448,33.515 h0.76
  text "DIG IN" at 41.77,10.871 h1
  text "DIG OUT" at 54.212,10.841 h1
  text "ANALOG IN" at 27.403,10.756 h1.02
  text "CAN IN" at 66.673,10.619 h1
  text "VIN 9-30 DC" at 14.05,10.585 h1
  text "AIN0   GND" at 27.441,8.204 h0.89
  text "ENC- SIR-" at 53.263,8.057 h1
  text "L    H" at 67.305,8.026 h1
  text "DOOR  | ON" at 40.103,7.95 h1
  text "-   +" at 23.069,7.772 h1.52
Bottom Overlay:
  lines w0.2: 79.084,33.277 81.661,33.277
Mechanical 1:
  lines w0.254: 19.115,85.578 19.115,90.681 19.115,98.268 48.885,98.268 48.885,88.667 48.859,88.641

## Text inside footprints (layer, text, board x,y; h text height)
CR1: Top Overlay "*" at 51.852,23.871 h1.27; Mechanical 13 "*" at 50.706,23.864 h1.27
CR2: Top Overlay "*" at 32.363,24.258 h1.27; Mechanical 13 "*" at 33.836,24.258 h1.27
K1: Top Overlay "*" at 65.348,32.527 h1.27 r180; Mechanical 13 "RefDes2" at 62.186,34.864 h1.27 r180; Mechanical 13 "*" at 63.252,33.187 h1.27 r180
K2: Top Overlay "*" at 77.676,32.527 h1.27 r180; Mechanical 13 "RefDes2" at 74.513,34.864 h1.27 r180; Mechanical 13 "*" at 75.58,33.187 h1.27 r180
K3: Top Overlay "*" at 70.998,26.128 h1.27 r180; Mechanical 13 "*" at 68.903,26.788 h1.27 r180
K4: Top Overlay "*" at 46.379,28.257 h1.27 r180; Mechanical 13 "*" at 44.283,28.917 h1.27 r180
LED1: Top Overlay "K" at 42.261,40.38 h0.8 r270; Top Overlay "A" at 42.261,44.28 h0.8 r270
LED2: Top Overlay "A" at 17.108,39.038 h0.8 r90; Top Overlay "K" at 17.108,42.938 h0.8 r90
Q2: Top Overlay "*" at 75.989,14.224 h1.27 r90; Mechanical 13 "*" at 70.909,15.494 h1.27 r90; Mechanical 13 "RefDes2" at 66.337,16.129 h1.27 r90
Q3: Top Overlay "*" at 54.719,14.243 h1.27 r90; Mechanical 13 "RefDes2" at 45.067,16.148 h1.27 r90; Mechanical 13 "*" at 49.639,15.513 h1.27 r90
U5: Top Overlay "*" at 84.839,26.043 h1.27 r270; Mechanical 13 "RefDes2" at 81.894,24.972 h1.27 r270; Mechanical 13 "*" at 83.684,24.68 h1.27 r270